# Altium PCB 四版主控XT.PcbDoc
Units mil, origin at the board's own origin, x right, y up, seen from the top; angles counter-clockwise.
Board outline 5105 x 3155.59 mil, 2 copper layers (Top Layer, Bottom Layer); 75 components, 82 nets, 339 pads, 95 vias.
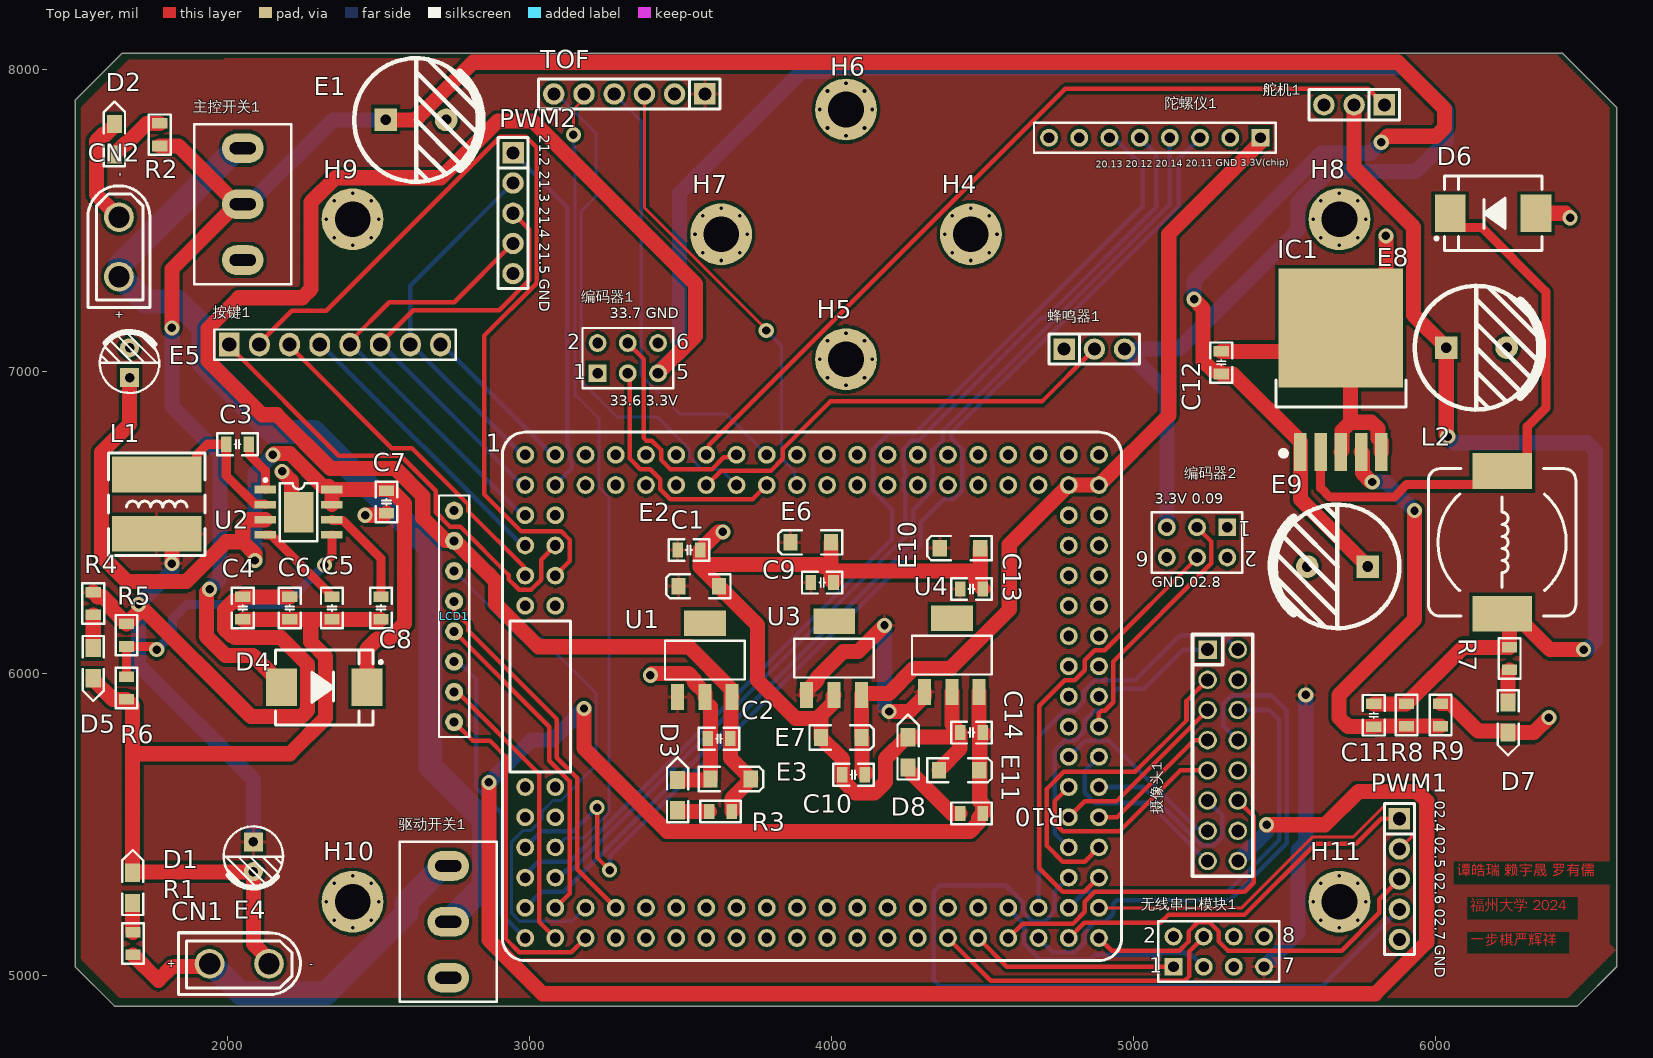
[diagram p0: Top Layer view]
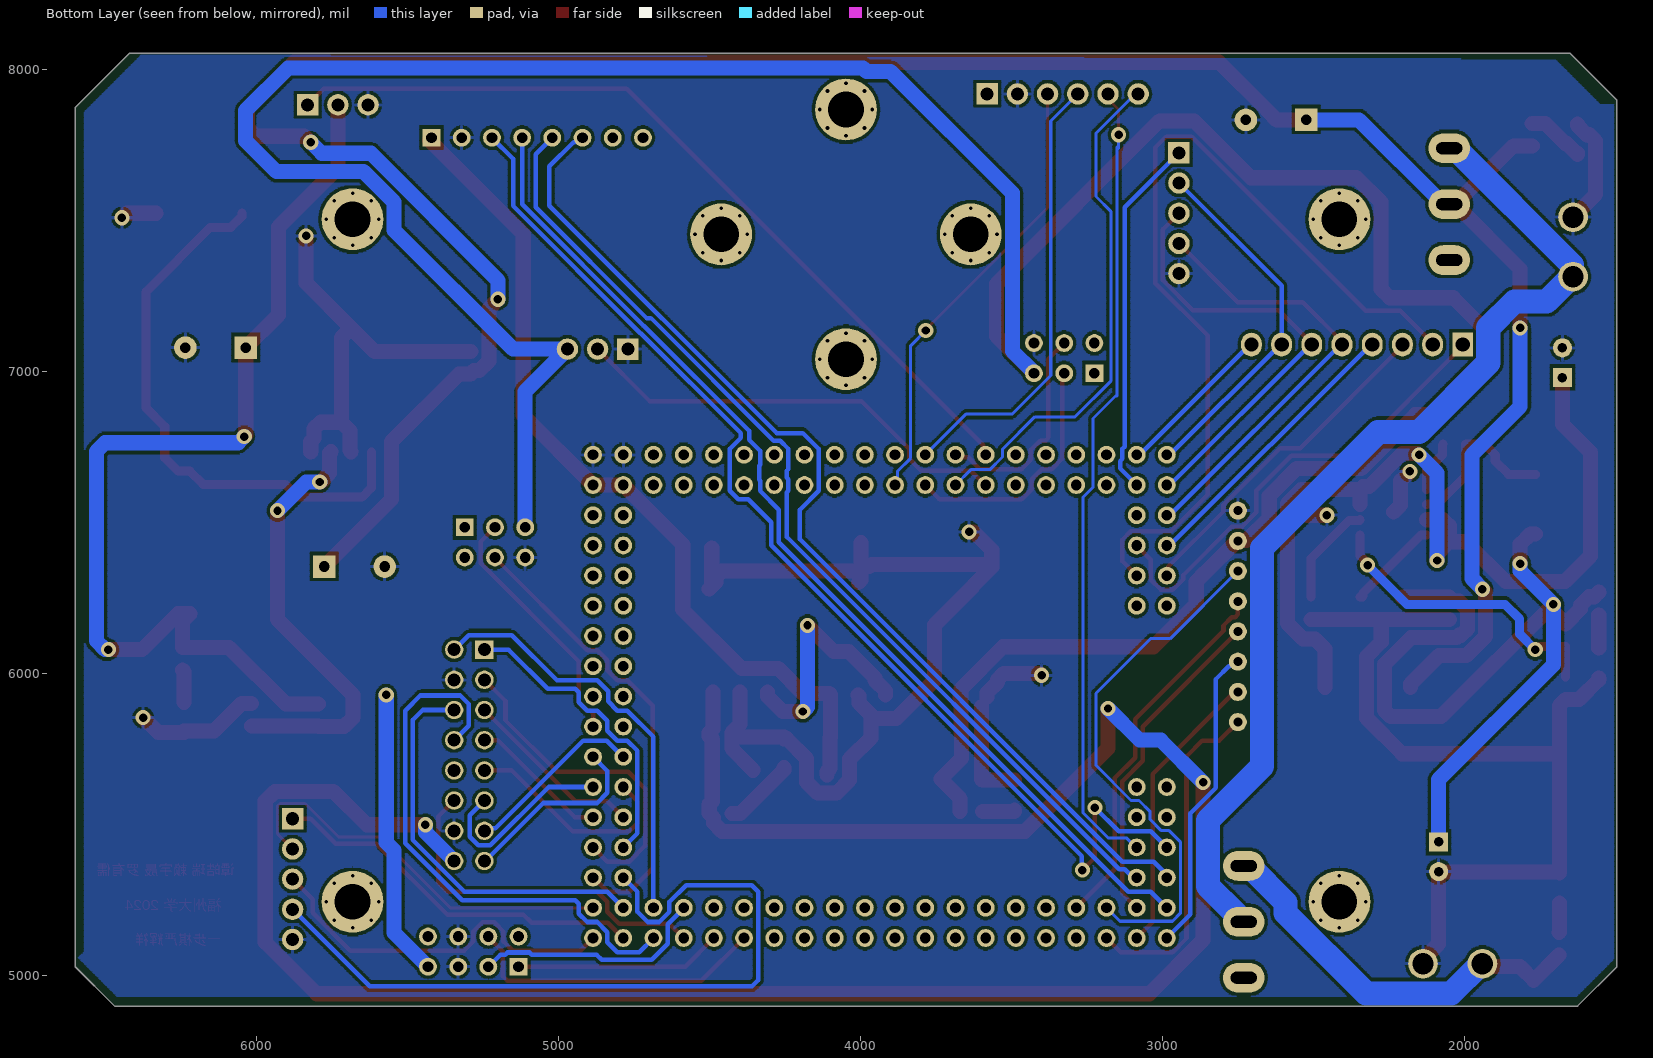
[diagram p1: Bottom Layer view, seen from below]

## Layer stack, top to bottom
Top Solder: solder mask 0.4, Solder Resist, Dk 3.5
Top Layer: signal copper 1.4
Dielectric 1: dielectric 12.6, FR-4, Dk 4.8
Bottom Layer: signal copper 1.4
Bottom Solder: solder mask 0.4, Solder Resist, Dk 3.5

## Board outline
1625,4899.41 1495,5029.41 1495,5305 1495,7900 1650,8055 6420,8055 6600,7875 6600,5030 6469.41,4899.41

## Design rules (kind name [scope] priority, off if disabled: settings)
Clearance [All] p1: gap=10 ignorepadtopadclearanceinfootprint=FALSE except(0: Arc-Hole Track-Hole SMDPad-Hole THPad-Hole Via-Hole Fill-Hole Poly-Hole Region-Hole Text-Hole)
PolygonConnect [All] p1: connectstyle=Relief reliefconductorwidth=10 reliefentries=4 polygonreliefangle="90 Angle" airgapwidth=10
RoutingVias [All] p1: holewidth=28 width=50 viastyle="Through Hole" minholewidth=28 minwidth=50 maxholewidth=28 maxwidth=50
SolderMaskExpansion [All] p1: expansion=4 istentingtop=FALSE
Width [All] p1: maxlimit=80 minlimit=10 preferedwidth=10 minimp=50.000000 maximp=50.000000 favimp=50.000000
30 further rules are at their usual default settings.

## Components (designator, comment, footprint, x,y, rotation, side; value= is the part's Value field where it differs from the comment)
1 "TC264" TC264_CoreBoard 4885,6725 r270 top locked
C1 "0.1uF" "C 0805_L" 3527.58,6410 r180 top
C2 "0.1uF" "C 0805_L" 3627.39,5785 r0 top
C3 "100nF" "C 0805_L" 2032.6,6760 r0 top
C4 "100nF" "C 0805_L" 2050,6217.4 r90 top
C5 "100nF" "C 0805_L" 2345,6217.4 r270 top
C6 "100nF" "C 0805_L" 2205.49,6217.4 r90 top
C7 "100nF" "C 0805_L" 2526.07,6569.21 r90 top
C8 "1uF" "C 0805_L" 2507.87,6217.4 r90 top
C9 "0.1uF" "C 0805_L" 3968.65,6301.69 r180 top
C10 "104" "C 0805_L" 4072.79,5665.64 r0 top
C11 "104" "C 0805_L" 5795,5862.6 r90 top
C12 "0.1uF" "C 0805_L" 5290,7030 r90 top
C13 "0.1uF" "C 0805_L" 4463.05,6280.71 r180 top
C14 "0.1uF" "C 0805_L" 4463.05,5805.07 r0 top
CN1 "XT30UPB-M" "PCBComponent_1 - duplicate" 2253.43,4972.6 r180 top
CN2 "XT30UPB-M" "PCBComponent_1 - duplicate" 1707.4,7628.44 r270 top
D1 "LED" LED-0805R 1685.52,5241.19 r90 top
D2 "LED" LED-0805R 1625,7720 r90 top
D3 "LED" LED-0805R 3489.68,5548.06 r90 top
D4 "SS3(5)4" SMC 2320,5955 r0 top
D5 "LED" LED-0805R 1555,6085 r270 top
D6 "SS34" SMC 6190,7525 r180 top
D7 "LED" LED-0805R 6240,5905 r270 top
D8 "LED" LED-0805R 4252.98,5689.95 r90 top
E1 "470uF" "CAP 5.0*10*16" 2623.46,7834.14 r0 top
E2 "100uF" "CD A(3216)" 3559.98,6290 r0 top
E3 "100uF" "CD A(3216)" 3665.4,5651.5 r180 top
E4 "100uF/25V" "CAP 2.5*5*11" 2085,5394.21 r270 top
E5 "100uF/25V" "CAP 2.5*5*11" 1675,7030 r90 top
E6 "10uF" "CD A(3216)" 3930.64,6434.91 r0 top
E7 "10uF/6.3V" "CD A(3216)" 4031.78,5788.94 r180 top
E8 "470uF" "CAP 5.0*10*16" 6135,7080 r0 top
E9 "470uF" "CAP 5.0*10*16" 5675,6355 r180 top
E10 "100uF" "CD A(3216)" 4425.05,6416.06 r0 top
E11 "100uF" "CD A(3216)" 4422.05,5680.5 r180 top
H4 "固定孔" M3-MountHole-Plated 4460.91,7455 r0 top locked
H5 "固定孔" M3-MountHole-Plated 4047.52,7041.61 r0 top locked
H6 "固定孔" M3-MountHole-Plated 4047.52,7868.39 r0 top locked
H7 "固定孔" M3-MountHole-Plated 3634.13,7455 r0 top locked
H8 "固定孔" M3-MountHole-Plated 5681.42,7505 r0 top locked
H9 "固定孔" M3-MountHole-Plated 2413.66,7505 r0 top locked
H10 "固定孔" M3-MountHole-Plated 2413.66,5245.16 r0 top locked
H11 "固定孔" M3-MountHole-Plated 5681.42,5245.16 r0 top locked
IC1 "LM2596-ADJ" TO263-5A 5686.14,6735 r0 top
L1 "10(3.3)uH" CD73 1765,6561.57 r90 top
L2 "33uH" CDRH127 6220,6435 r270 top
LCD1 "1.8inch-LCD" 1.8inch-LCD 2750,6540 r270 top
PWM1 "Header5" JP5 5880,5320 r270 top
PWM2 "Header5" JP5 2945,7525 r270 top
R1 "1K" "R 0805_L" 1686.51,5106.26 r90 top
R2 "1K" "R 0805_L" 1775,7785 r90 top
R3 "1K" "R 0805_L" 3632.06,5544.06 r180 top
R4 "4.7K" "R 0805_L" 1555,6232.4 r90 top
R5 "73.2K" "R 0805_L" 1665,6127.6 r90 top
R6 "10K" "R 0805_L" 1665,5952.4 r90 top
R7 "1K" "R 0805_L" 6245,6050 r90 top
R8 "10K" "R 0805_L" 5904.04,5863.82 r90 top
R9 "3.26K" "R 0805_L" 6016.58,5863.82 r270 top
R10 "1K" "R 0805_L" 4463.05,5537.81 r180 top
TOF "Header6" JP6 3330,7920 r180 top
U1 "LM39100S-3.3" SOT-223_L6.5-W3.5-P2.30-LS7.0-BR 3579.98,6045 r270 top
U2 "SY8205FCC" SOP-8E 2235,6535 r0 top
U3 "LM39100S-3.3" SOT-223_L6.5-W3.5-P2.30-LS7.0-BR 4007.67,6051.57 r270 top
U4 "LM39100S-3.3" SOT-223_L6.5-W3.5-P2.30-LS7.0-BR 4397.93,6061.57 r270 top
主控开关1 "MTS-10x" MTS-10x 2050,7555 r270 top
按键1 "" JP8 2005,7090 r0 top
摄像头1 "摄像头" IDC16 5293.66,5729.8 r270 top
无线串口模块1 "" HDR2X4 5131.73,5029.94 r0 top
编码器1 "编码器1" HDR2X3 3225,6995 r0 top
编码器2 "编码器2" HDR2X3 5310,6485 r180 top
舵机1 "" JP3 5730,7885 r180 top
蜂鸣器1 "" JP3 4870,7074 r0 top
陀螺仪1 "" HDR1X8 5420,7775 r180 top
驱动开关1 "MTS-10x" MTS-10x 2730.41,5178.47 r270 top

## Footprints (in the part's own frame and the unit in brackets; to place one, negate y for a bottom-side part, rotate by r counter-clockwise, add the part's x,y. Pads: shape width x height; smd on the part's side, far side on the other; paste and mask are expansions set on the pad)
1.8inch-LCD [mil] "板悬空11.2mm，母座不垫高"
  round 60 hole 30: 1(0,0) 2(100,0) 3(200,0) 4(300,0) 5(400,0) 6(500,0) 7(600,0) 8(700,0)
  silkscreen extent -50,-50 750,50, body extent -339,-2146 1039,59, height 563
"C 0805_L" [mil]
  rect 35x50 smd: 1(-37.4,0) 2(37.4,0)
  silkscreen extent -67,-36 67,36, body extent -39,-24 39,24, height 20
"CAP 2.5*5*11" [mm] "脚距2.5mm直径5mm高度11mm"
  rect 1.6x1.6 hole 0.8: 1(-1.25,0)
  round 1.6 hole 0.8: 2(1.25,0)
  silkscreen extent -2.55,-2.5 2.6,2.5, body extent -2.5,-2.5 2.51,2.5, height 11.03
"CAP 5.0*10*16" [mm] "脚距5mm直径10mm高度16mm"
  rect 1.9x1.9 hole 0.9: 1(-2.54,0)
  round 1.9 hole 0.9: 2(2.54,0)
  silkscreen extent -5.19,-5.21 5.5,5.19, body extent -5,-5 5.01,5, height 16.04
CD73 [mm] "7.8*7*3.5mm（长宽高）"
  rect 3x7.5 smd: 1(-2.5,0) 2(2.5,0)
  silkscreen extent -4.32,-4.06 4.32,4.06, body extent -3.85,-3.5 3.85,3.5, height 3.75
"CD A(3216)" [mm]
  rect 1.2x1.4 smd: 1(-1.7,0) 2(1.7,0)
  silkscreen extent -2.74,-1.02 2.67,1.02, body extent -1.6,-0.8 1.6,0.8, height 1.6
CDRH127 [mm] "12*12*8mm（长宽高）"
  rect 3x5 smd: 1(-6,0) 2(6,0)
  silkscreen extent -6.2,-6.2 6.2,6.2, body extent -6,-6 6,6, height 7.8
HDR1X8 [mm] "Connector; Header; 8 Position"
  rect 1.5x1.5 hole 0.9: 1(0,0)
  round 1.5 hole 0.9: 2(2.54,0) 3(5.08,0) 4(7.62,0) 5(10.16,0) 6(12.7,0) 7(15.24,0) 8(17.78,0)
  silkscreen extent -1.27,-1.27 19.05,1.27
HDR2X3 [mm] "Connector; Header; 3x2 Position"
  rect 1.5x1.5 hole 0.9: 1(0,0)
  round 1.5 hole 0.9: 2(0,2.54) 3(2.54,0) 4(2.54,2.54) 5(5.08,0) 6(5.08,2.54)
  silkscreen extent -1.27,-1.27 6.35,3.81
HDR2X4 [mm] "Connector; Header; 4x2 Position"
  rect 1.5x1.5 hole 0.9: 1(0,0)
  round 1.5 hole 0.9: 2(0,2.54) 3(2.54,0) 4(2.54,2.54) 5(5.08,0) 6(5.08,2.54) 7(7.62,0) 8(7.62,2.54)
  silkscreen extent -1.27,-1.27 8.89,3.81
IDC16 [mm]
  rect 1.55x1.55 hole 1.1: 1(-8.895,-1.236)
  round 1.55 hole 1.1: 2(-8.895,1.304) 3(-6.355,-1.236) 4(-6.355,1.304) 5(-3.815,-1.236) 6(-3.815,1.304) 7(-1.275,-1.236) 8(-1.275,1.304) 9(1.265,-1.236) 10(1.265,1.304) 11(3.805,-1.236) 12(3.805,1.304) 13(6.345,-1.236) 14(6.345,1.304) 15(8.885,-1.236) 16(8.885,1.304)
  silkscreen extent -10.17,-2.51 10.15,2.57
JP3 [mm]
  rect 1.8x1.8 hole 1.1: 1(-2.54,0.025)
  round 1.8 hole 1.1: 2(0,0.025) 3(2.54,0.025)
  silkscreen extent -3.81,-1.24 3.81,1.3
JP5 [mm]
  rect 1.8x1.8 hole 1.1: 1(-5.08,0)
  round 1.8 hole 1.1: 2(-2.54,0) 3(0,0) 4(2.54,0) 5(5.08,0)
  silkscreen extent -6.35,-1.27 6.35,1.27
JP6 [mm]
  rect 1.8x1.8 hole 1.1: 1(-6.35,0)
  round 1.8 hole 1.1: 2(-3.81,0) 3(-1.27,0) 4(1.27,0) 5(3.81,0) 6(6.35,0)
  silkscreen extent -7.62,-1.27 7.62,1.27
JP8 [mm]
  rect 1.75x2 hole 1.2: 1(0,0)
  oval 1.75x2 hole 1.2: 2(2.54,0) 3(5.08,0) 4(7.62,0) 5(10.16,0) 6(12.7,0) 7(15.24,0) 8(17.78,0)
  silkscreen extent -1.27,-1.27 19.05,1.27
LED-0805R [mil]
  rect 60x50 smd: A(0,0) K(100,0)
  silkscreen extent -40,-35 175,35, body extent 11,-24 89,25, height 32
M3-MountHole-Plated [mm]
  round 5.2 hole 3: 1(0,0)
MTS-10x [mm]
  oval 2.5x3.5 hole 1 slot 2.2 at 90 deg: 1(-4.7,0) 2(0,0) 3(4.7,0)
  silkscreen extent -6.73,-4.06 6.73,4.06, body extent -6.6,-3.95 6.6,3.95, height 30.47
"PCBComponent_1 - duplicate" [mm]
  round 2.5 hole 1.8: 1(2.961,-1.712) 2(7.961,-1.712)
  silkscreen extent 0.32,-4.31 10.56,0.89
"R 0805_L" [mil]
  rect 35x50 smd: 1(-37.4,0) 2(37.4,0)
  silkscreen extent -67,-36 67,36, body extent -39,-25 39,25, height 20
SMC [mm] "7.1x5.9*2.3mm（长宽高，不包括引脚）"
  rect 2.6x3.15 smd: 1(-3.6,0) 2(3.6,0)
  silkscreen extent -4.1,-3.15 4.88,3.15, body extent -3.95,-2.9 3.95,2.9, height 2.45
SOP-8E [mm]
  rect 2.5x3.4 smd: 0(0,0)
  rect 1.8x0.65 smd: 1(-2.8,1.905) 2(-2.8,0.635) 3(-2.8,-0.635) 4(-2.8,-1.905) 5(2.8,-1.905) 6(2.8,-0.635) 7(2.8,0.635) 8(2.8,1.905)
  silkscreen extent -2.92,-2.45 1.58,2.82, body extent -3.11,-2.45 3.11,2.45, height 1.75
SOT-223_L6.5-W3.5-P2.30-LS7.0-BR [mil]
  rect 85x43 smd: 1(122,-90.5) 2(122,0.5) 3(122,90.5)
  rect 85x138 smd: 4(-122,0.5)
  silkscreen extent -64,-132 64,132
TC264_CoreBoard [mm]
  round 1.5 hole 0.9: 1(0,0) 2(2.54,0) 3(0,-2.54) 4(2.54,-2.54) 5(0,-5.08) 6(2.54,-5.08) 7(0,-7.62) 8(2.54,-7.62) 9(0,-10.16) 10(2.54,-10.16) 11(0,-12.7) 12(2.54,-12.7) 13(0,-15.24) 14(2.54,-15.24) 15(0,-17.78) 16(2.54,-17.78) 17(0,-20.32) 18(2.54,-20.32) 19(0,-22.86) 20(2.54,-22.86) 21(0,-25.4) 22(2.54,-25.4) 23(0,-27.94) 24(2.54,-27.94) 25(0,-30.48) 26(2.54,-30.48) 27(0,-33.02) 28(2.54,-33.02) 29(0,-35.56) 30(2.54,-35.56) 31(0,-38.1) 32(2.54,-38.1) 33(0,-40.64) 34(2.54,-40.64) 35(0,-43.18) 36(2.54,-43.18) 37(0,-45.72) 38(2.54,-45.72) 39(0,-48.26) 40(2.54,-48.26) 41(5.08,-48.26) 42(5.08,-45.72) 43(7.62,-48.26) 44(7.62,-45.72) 45(10.16,-48.26) 46(10.16,-45.72) 47(12.7,-48.26) 48(12.7,-45.72) 49(27.94,-45.72) 50(27.94,-48.26) 51(30.48,-45.72) 52(30.48,-48.26) 53(33.02,-45.72) 54(33.02,-48.26) 55(35.56,-45.72) 56(35.56,-48.26) 57(38.1,-48.26) 58(40.64,-48.26) 59(38.1,-45.72) 60(40.64,-45.72) 61(38.1,-43.18) 62(40.64,-43.18) 63(38.1,-40.64) 64(40.64,-40.64) 65(38.1,-38.1) 66(40.64,-38.1) 67(38.1,-35.56) 68(40.64,-35.56) 69(38.1,-33.02) 70(40.64,-33.02) 71(38.1,-30.48) 72(40.64,-30.48) 73(38.1,-27.94) 74(40.64,-27.94) 75(38.1,-25.4) 76(40.64,-25.4) 77(38.1,-22.86) 78(40.64,-22.86) 79(38.1,-20.32) 80(40.64,-20.32) 81(38.1,-17.78) 82(40.64,-17.78) 83(38.1,-15.24) 84(40.64,-15.24) 85(38.1,-12.7) 86(40.64,-12.7) 87(38.1,-10.16) 88(40.64,-10.16) 89(38.1,-7.62) 90(40.64,-7.62) 91(38.1,-5.08) 92(40.64,-5.08) 93(38.1,-2.54) 94(40.64,-2.54) 95(38.1,0) 96(40.64,0) 97(35.56,-2.54) 98(35.56,0) 99(33.02,-2.54) 100(33.02,0) 101(30.48,-2.54) 102(30.48,0) 103(27.94,-2.54) 104(27.94,0) 105(25.4,-2.54) 106(25.4,0) 107(22.86,-2.54) 108(22.86,0) 109(20.32,-2.54) 110(20.32,0) 111(17.78,-2.54) 112(17.78,0) 113(15.24,-2.54) 114(15.24,0) 115(12.7,-2.54) 116(12.7,0) 117(10.16,-2.54) 118(10.16,0) 119(7.62,-2.54) 120(7.62,0) 121(5.08,-2.54) 122(5.08,0)
  silkscreen extent -1.91,-50.17 42.55,1.91
TO263-5A [mm]
  rect 1.05x3.2 smd: 1(-3.4,0) 2(-1.7,0) 3(0,0) 4(1.7,0) 5(3.4,0)
  rect 10.45x10 smd: 3(0,10.414)
  silkscreen extent -5.46,-0.33 5.46,6.04, body extent -5,-0.01 5,13.32, height 4.5

## Part data
1: library part TC264_CoreBoard, "逐飞科技TC264核心板"
C1 C2 C3 C4 C5 C6 C7 C8 C9 C10 C11 C12 C13 C14: library part C, "无极性贴片电容", BOM名称=无极性贴片电容, 学习资源=www.ooocke.com, 版权归属=源创客
CN1 CN2: Colour=黄色, contact resistance=0.65mΩ, JLCPCB Part Class="Extended Part", LCSC Part Name="AMASS(艾迈斯)板载立式 航模锂电池控制器连接器插头 公头XT30UPB-M", Manufacturer=AMASS(艾迈斯), MaximumCurrent=-, RatedCurrent=15A, RatedVoltage="DC 500V", Add into BOM=yes, Belt length=-, Brand=艾迈斯, Convert to PCB=yes, Datasheet=https://atta.szlcsc.com/upload/public/pdf/source/20230412/7B5DFEF57C9EA5273853390C734B3AC5.pdf, Device=XT30UPB-M, FlameRetardantGrade=-, Input=-, InsulationMaterial=PA, Interface=-, InterfaceType=公头, Manufacturer Part=XT30UPB-M, MetalMaterial=镀金, Model=XT30UPB-M, NumberOfUSBHoles=-, Output=-, Power=-, RecommendedWireGauge=-, Size=-, specifications=-, Supplier=LCSC, Supplier Footprint=-, Supplier Part=C428721, Symbol=XT30UPB-M, Type=航模插头, Type1=-
D4: library part SS34, "肖特基二极管", BOM名称=肖特基二极管, 学习资源=www.ooocke.com, 属性=40V/3A, 版权归属=源创客
D6: "肖特基二极管", BOM名称=肖特基二极管, 学习资源=www.ooocke.com, 属性=40V/3A, 版权归属=源创客
E1 E8 E9: library part C-CAP, "直插电解电容", BOM名称=直插电解电容, 学习资源=www.ooocke.com, 版权归属=源创客
E2 E3 E6 E7 E10 E11: library part C-CD, "贴片钽电容", BOM名称=贴片钽电容, 学习资源=www.ooocke.com, 版权归属=源创客
E4 E5: library part C-CM, "贴片电解电容", BOM名称=贴片电解电容, 学习资源=www.ooocke.com, 版权归属=源创客
H4 H5 H6 H7 H8 H9 H10 H11: library part MountHole
IC1: "DC降压芯片", BOM名称=DC稳压芯片, 学习资源=www.ooocke.com, 版权归属=源创客
L1 L2: library part L, "小功率贴片电感", BOM名称=小功率贴片电感, 学习资源=www.ooocke.com, 版权归属=源创客
R1 R2 R3 R4 R5 R6 R7 R8 R9 R10: library part R, "贴片电阻", BOM名称=贴片电阻, 学习资源=www.ooocke.com, 版权归属=源创客
U2: "同步buck"
主控开关1 驱动开关1: "MTS10x系列3脚扭子开关", BOM名称=MTS10x系列3脚扭子开关, 学习资源=www.ooocke.com, 版权归属=源创客
按键1: library part Header8
摄像头1: library part Header8X2
无线串口模块1: library part "Header 4X2", "Header, 4-Pin, Dual row", LatestRevisionDate=17-Jul-2002, LatestRevisionNote="Re-released for DXP Platform.", Publisher="Altium Limited"
编码器1 编码器2: library part "Header 3X2", "Header, 3-Pin, Dual row", LatestRevisionDate=17-Jul-2002, LatestRevisionNote="Re-released for DXP Platform.", Publisher="Altium Limited"
舵机1 蜂鸣器1: library part Header3
陀螺仪1: library part "Header 8", "Header, 8-Pin", LatestRevisionDate=17-Jul-2002, LatestRevisionNote="Re-released for DXP Platform.", Publisher="Altium Limited"

## Via types
v1: diameter 23.62, hole 11.81, Top Layer to Bottom Layer, 64 vias
v2: diameter 50, hole 28, Top Layer to Bottom Layer, 31 vias

## Nets (pads, with @x,y where several pads share a name; then routed paths per layer and width w, separated by ;. In a path a pad name is that pad's centre, name@x,y a point inside that pad or via, vN(x,y) a via of type N, cw(c..) or ccw(c..) an arc to the next point about the centre after c; other vN are vias at no path point)
00.0: 1.99 摄像头1.1 | length 1056.2
  Top Layer w15: 摄像头1.1@5221.99,6056.99 摄像头1.1
  Bottom Layer w15: 1.99 4737.97,5472.03 4737.97,5744.48 4771.47,5777.97 4804.48,5777.97 4837.97,5811.47 4837.97,5844.48 4871.47,5877.97 4904.48,5877.97 4932.03,5905.52 4932.03,5938.53 4943.49,5950 5035,5950 5165,6080 摄像头1.1
00.1: 1.100 摄像头1.3 | length 1121.5
  Top Layer w15: 1.100 4837.97,5377.97 4765.52,5377.97 4712.97,5430.52 4712.97,5619.48 4768.49,5675 5004.64,5675 5175,5845.36 5175,5910 摄像头1.3
00.2: 1.101 摄像头1.5 | length 607
  Top Layer w15: 1.101 4837.97,5577.97 4942.97,5577.97 摄像头1.5
00.3: 1.102 摄像头1.7 | length 465.6
  Top Layer w15: 1.102 4945,5525 5200,5780 摄像头1.7
00.4: 1.103 摄像头1.9 | length 751.1
  Top Layer w15: 1.103 4737.97,5577.97 4737.97,5505.52 4765.52,5477.97 4952.97,5477.97 5155,5680 摄像头1.9
  Bottom Layer w15: 摄像头1.9@5237.93,5687.07 摄像头1.9
00.5: 1.104 摄像头1.11 | length 656.5
  Top Layer w15: 摄像头1.11 5245,5590 摄像头1.11@5250,5595
  Bottom Layer w15: 1.104 5032.1,5625 5225.11,5431.99 5264.89,5431.99 5293.01,5460.11 5293.01,5531.99 摄像头1.11
00.6: 1.105 摄像头1.13 | length 606
  Bottom Layer w15: 1.105 4786.86,5725 4839.83,5777.97 4904.48,5777.97 4905.29,5778.79 4917.72,5778.79 5208.27,5488.24 5236.76,5488.24 摄像头1.13
00.7: 1.106 摄像头1.15 | length 639.4
  Bottom Layer w15: 1.106 4837.97,5677.97 4837.97,5605.52 4871.47,5572.03 5049.72,5572.03 5241.75,5380 摄像头1.15
0.09: 1.108 编码器2.3 | length 839.8
  Top Layer w15: 1.108 4885,5869.19 4893.79,5877.97 4904.48,5877.97 4932.03,5905.52 4932.03,6040.52 5257.03,6365.52 5257.03,6437.97 编码器2.3
02.0: 1.90 摄像头1.12 | length 1201.7
  Top Layer w15: 1.90 4632.45,5172.45 4798.95,5172.45 4837.97,5211.47 4837.97,5244.48 4871.47,5277.97 5368.06,5277.97 5397.5,5307.41 5397.5,5527.5 摄像头1.12
02.1: 1.91 摄像头1.2 | length 1405.1
  Bottom Layer w15: 1.91 4685,5791.51 4771.47,5877.97 4804.48,5877.97 4835,5908.49 4835,5941.51 4871.47,5977.97 5004.48,5977.97 5154.52,6128.01 5296.99,6128.01 摄像头1.2
02.2: 1.92 摄像头1.8 | length 1851.4
  Bottom Layer w15: 1.92 4732.03,5077.97 4804.48,5077.97 4837.97,5111.47 4837.97,5144.48 4871.47,5177.97 4904.48,5177.97 4932.03,5205.52 4932.03,5238.53 4943.49,5250 5318.25,5250 5507.5,5439.25 5507.5,5877.5 5456.99,5928.01 5325.11,5928.01 5296.99,5899.89 5296.99,5828.01 摄像头1.8
02.3: 1.93 摄像头1.6 | length 1339.1
  Bottom Layer w15: 1.93 4837.97,5277.97 5310.87,5277.97 5482.5,5449.6 5482.5,5847.08 5449.58,5880 摄像头1.6
02.4: 1.94 PWM1.1 | length 1258.6
  Top Layer w15: 1.94 4786.86,5125 4836.86,5175 5088.49,5175 5115.45,5201.97 5367.08,5201.97 5602.61,5437.5 5737.24,5437.5 5819.74,5520 PWM1.1
02.5: 1.95 PWM1.2 | length 1354.7
  Top Layer w10: 1.95 5358.29,5225 5593.29,5460 5727.92,5460 5838.35,5570.43 5921.65,5570.43 5930.43,5561.65 5930.43,5470.43 PWM1.2
02.6: 1.96 PWM1.3 | length 1254
  Top Layer w15: 1.96 4927.09,5082.91 5151.21,5082.91 5181.73,5113.43 5181.73,5146.45 5212.25,5176.97 5251.21,5176.97 5281.73,5146.45 5281.73,5113.44 5312.25,5082.91 5688.68,5082.91 5813.84,5208.07 5813.84,5253.84 PWM1.3
02.7: 1.97 PWM1.4 | length 2574.3
  Bottom Layer w15: 1.97 4737.97,5277.97 4737.97,5211.47 4704.48,5177.97 4665.52,5177.97 4632.03,5211.47 4632.03,5244.48 4576.51,5300 4360,5300 4337.97,5277.97 4337.97,4985.81 4358.79,4965 5625,4965 PWM1.4
02.8: 1.98 编码器2.4 | length 1533
  Top Layer w15: 1.98 4883.14,5325 4836.11,5277.97 4765.52,5277.97 4687.97,5355.52 4687.97,5894.48 4771.47,5977.97 4804.48,5977.97 4837.97,6011.47 4837.97,6044.48 4871.47,6077.97 4904.48,6077.97 5210,6383.49 编码器2.4
3.3V: C2.2 E3.1 LCD1.2 R3.1 U1.3 编码器1.5 编码器2.5 蜂鸣器1.3 | length 11024.1
  Top Layer w50: 编码器1.5 3548.95,7118.95 3548.95,7291.05 3010,7830 2894.28,7830 2706.64,7642.36 2356.76,7642.36 2276.3,7561.9 2276.3,7274.29 2247.01,7245 2036.68,7245 1935.55,7143.87 1935.55,7036.13 2113.88,6857.81 2162.68,6857.81 2341.01,6679.48 2555.24,6679.48 2646.07,6588.66 2646.07,6516.65 2720.81,6441.91 2748.09,6441.91 LCD1.2 2752.71,6440 2857.71,6335 2858.33,6335 2887.62,6305.71 2887.62,6231.12 3029.24,6089.5 3527.48,6089.5 3666.98,5950 3666.98,5926.5 U1.3 3666.98,5919.5 3666.98,5805.5 3664.79,5803.3 C2.2 3664.79,5720.22 3732.33,5652.68 E3.1 3732.33,5650.32 3669.46,5587.46 R3.1
  Bottom Layer w50: 编码器1.5 3425,6997.45 3496.77,7069.22 3496.77,7591.77 3899.64,7994.64 3979.51,7994.64 3990.62,8005.75 5894.62,8005.75 6035.43,7864.93 6035.43,7765.07 5933.85,7663.48 5645.64,7663.48 5544.06,7561.9 5544.06,7468.69 5150.36,7075 蜂鸣器1.3 5110,6935 编码器2.5
3.3VCAM: C14.2 E11.1 R10.1 U4.3 摄像头1.16 | length 7420.4
  Top Layer w50: v2(2865,5640) 2865,5118.39 3042.97,4940.41 5800.02,4940.41 5970.43,5110.83 5970.43,5578.21 5938.21,5610.43 5744.32,5610.43 5633.89,5500 v2(5440,5500) ; v2(3180,5885) 3180,5753.25 3455.43,5477.81 4457.65,5477.81 4485.66,5505.82 4485.66,5523.01 R10.1 4500.46,5567.84 4490.35,5577.94 4490.35,5783.06 4500.45,5793.16 C14.2 4488.43,5817.08 U4.3
  Bottom Layer w50: v2(2865,5640) 3005,5780 3075,5780 v2(3180,5885) ; 摄像头1.16 5440,5475 v2(5440,5500)
3.3V芯片: 1.2 1.4 C10.2 E7.1 U3.3 陀螺仪1.1 | length 2837.5
  Top Layer w50: C10.2 4110.19,5676.28 4100.09,5686.38 4100.09,5787.56 E7.1 4098.44,5789.21 4098.44,5929.3 U3.3 4098.17,5931.5 4101.67,5935 4189.37,5935 4271.44,6017.07 4392.93,6017.07 4588.1,6212.24 4588.1,6428.1 1.4 1.2 5116.1,6856.1 5116.1,7456.1 陀螺仪1.1@5426.76,7766.76
5.0V: C1.2 C4.2 C6.2 C9.2 C13.2 E2.1 E4.1 E6.1 E10.1 L1.1 R4.2 R5.2 TOF.1 U1.1 U3.1 U4.1 无线串口模块1.7 | length 4757.1
  Top Layer w50: R4.2 1569.8,6255 1586.86,6255 1594.36,6247.5 1594.5,6247.5 1615,6227 1615,6215 R5.2 1705,6205 v2(1705,6230) 2077.01,5857.99 2243.95,5857.99 2264.45,5878.49 2264.45,6031.51 2175.95,6120 2025.15,6120 2017.65,6127.5 2010.5,6127.5 1990,6148 1990,6212 2018,6240 2035.2,6240 C4.2 C6.2 ; L1.1 1780.94,6463.15 1815,6429.09 v2(1815,6365) ; U3.1 3917.17,5943.57 3951.67,5978.07 3951.67,5986.56 4038.39,6073.28 4088.28,6073.28 v2(4175,6160) ; v2(4190,5875) 4256.87,5875 4307.43,5925.57 U4.1
  Bottom Layer w50: v2(1815,6365) 1815,6340 v2(1705,6230) 1705,6029.96 2085,5649.96 E4.1 ; v2(4175,6160) 4175,5890 v2(4190,5875) ; 无线串口模块1.7 5544.06,5142.27 5544.06,5415.7 5570,5441.64 v2(5570,5930)
7.2V: C12.1 D4.1 E1.1 E9.1 IC1.1 R2.1 主控开关1.2 | length 8843.2
  Top Layer w50: R2.1 1837.72,7747.6 主控开关1.2@2030.31,7555 ; v2(1815,7145) 1815,7339.69 主控开关1.2@2030.31,7555 ; v2(1940,6280) 1930,6270 1930,6123.15 1993.15,6060 2084.09,6060 2178.27,5965.83 D4.1 ; 主控开关1.2 主控开关1.2@2030.31,7555 ; E1.1 2621.77,7834.14 2651.06,7863.43 2651.06,7864.13 2811.92,8025 5875,8025 6030,7870 6030,7809.29 6000.71,7780 5840,7780 v2(5820,7760) ; v2(5200,7240) 5230,7210 5230,7035.4 5261.66,7003.75 5278.85,7003.75 C12.1 5328.35,6992.6 5552.28,6768.66 IC1.1 5552.28,6577.72 E9.1
  Bottom Layer w50: v2(1815,7145) 1815,6885 1975,6725 1975,6315 v2(1940,6280) ; 主控开关1.2 2069.69,7555 2348.83,7834.14 E1.1 ; v2(5200,7240) 5200,7302.69 5620.79,7723.48 5783.48,7723.48 v2(5820,7760)
10.2: 1.86 无线串口模块1.4 | length 1015.6
  Top Layer w15: 1.86 4527.09,4982.91 5168.51,4982.91 5184.7,4999.11 5184.7,5081.05 5231.73,5128.08 无线串口模块1.4
10.5: 1.88 无线串口模块1.1 | length 686.1
  Top Layer w15: 1.88 4580.06,5029.94 无线串口模块1.1
10.6: 1.89 无线串口模块1.3 | length 786.4
  Bottom Layer w15: 1.89 4585,5223.14 4637.97,5170.17 4637.97,5105.52 4690.52,5052.97 4856.47,5052.97 4873.49,5070 5087.98,5070 5094.95,5076.97 5168.51,5076.97 5175.48,5070 5191.67,5070 无线串口模块1.3
15.0: 1.58 LCD1.6 | length 1021.1
  Bottom Layer w15: LCD1.6 2762.18,6040 2776.8,6025.38 2779.62,6025.38 2822.5,5982.5 2822.5,5622.4 2906.81,5538.08 2906.81,5203.19 1.58
15.1: 1.59 LCD1.5 | length 1092.7
  Top Layer w15: LCD1.5 3064.94,5825.06 3064.94,5711.57 3132.03,5644.48 3132.03,5272.03 1.59
15.2: 1.60 LCD1.7 | length 959.6
  Top Layer w15: LCD1.7 2760,5940 3032.03,5667.97 3032.03,5177.97 1.60
15.3: 1.61 LCD1.3 | length 1786.2
  Bottom Layer w10: LCD1.3 2974,6116 3039,6116 3220,5935 3220,5697.03 3103.44,5580.47 3077.5,5580.47 3040.47,5543.44 3040.47,5517.5 3003.44,5480.47 2977.5,5480.47 2940.47,5443.44 2940.47,5206.56 2966.56,5180.47 3140.47,5180.47 1.61
15.4: 1.62 LCD1.8 | length 1123.2
  Top Layer w15: LCD1.8 2811.2,5778.8 2867.41,5778.8 2920,5726.21 2920,5123.49 2965.52,5077.97 3137.97,5077.97 1.62
15.5: 1.63 LCD1.4 | length 1243
  Top Layer w15: LCD1.4 2750,6196.29 2758.79,6187.5 2769.68,6187.5 2797.5,6159.68 2797.5,6142.5 3089.94,5850.06 3089.94,5721.92 3157.03,5654.83 3157.03,5352.97 1.63
20.0: 1.44 按键1.1 | length 1569.3
  Top Layer w15: 按键1.1 2005,7085.08 2368.09,6721.98 2572.85,6721.98 2688.57,6606.26 2688.57,6534.25 2735.33,6487.5 2769.68,6487.5 2930.12,6327.05 2930.12,6313.37 2965.52,6277.97 3004.48,6277.97 3037.97,6311.47 3037.97,6377.97 1.44
20.2: 1.45 按键1.3 | length 1127.4
  Top Layer w15: 按键1.3 2205,7085.08 2543.09,6746.98 2610.19,6746.98 2797.5,6559.68 2797.5,6537.5 2980,6355 2980,6330 1.45
20.3: 1.46 按键1.2 | length 2924.7
  Top Layer w15: 按键1.2 2105,7094.92 2212.58,7202.5 2326.89,7202.5 2902.32,7777.93 2987.68,7777.93 3022.93,7742.68 3022.93,7292.72 2848.99,7118.78 2848.99,6594.5 2971.47,6472.03 3104.48,6472.03 3132.03,6444.48 3132.03,6372.03 1.46
20.10: 1.53 TOF.5 | length 2667.1
  Top Layer w10: v2(3145,7785) 3145,7868.53 3180,7903.53 TOF.5
  Bottom Layer w10: 1.53 3087.03,5425 3117.5,5455.47 3178.44,5455.47 3263.2,5540.23 3263.2,6583.83 3229.53,6617.5 3229.53,6845.47 3155,6920 3150,6920 3150,7745 3145,7740 v2@3145,7770
20.11: 1.54 陀螺仪1.3 | length 3802.3
  Top Layer w15: v2(3223.2,5556.8) 3223.2,5391.8 v2(3265,5350)
  Bottom Layer w15: 1.54 3037.97,5477.97 3144.38,5477.97 v2(3223.2,5556.8) ; v2(3265,5350) 3266.09,5351.09 3266.09,5396.09 4295,6425 4295,6501.51 4371.47,6577.97 4404.48,6577.97 4432.03,6605.52 4432.03,6691.51 4432.03,6744.48 4395.28,6781.23 4395.28,6795.9 4727.32,7127.93 4728.64,7127.93 5150,7549.29 5150,7705 陀螺仪1.3
20.12: 1.55 陀螺仪1.5 | length 3344.4
  Bottom Layer w15: 1.55 3096.92,5325 3124.89,5352.97 3143.12,5352.97 4242.97,6452.83 4242.97,6600.52 4237.97,6605.52 4237.97,6644.48 4242.97,6649.48 4242.97,6672.97 4237.97,6677.97 4237.97,6744.48 4265.52,6772.03 4287.38,6772.03 4693.29,7177.93 4707.93,7177.93 5075,7545 5075,7720 陀螺仪1.5
20.13: 1.56 陀螺仪1.6 | length 3514.9
  Bottom Layer w15: 1.56 2985,5335 3027.97,5377.97 3132.76,5377.97 4200,6445.21 4200,6543.49 4137.97,6605.52 4137.97,6744.48 4190.52,6797.03 4277.03,6797.03 5030,7550 5030,7680 4949.29,7760.71 4946.21,7760.71 4931.92,7775 陀螺仪1.6
20.14: 1.57 陀螺仪1.4 | length 3481.8
  Bottom Layer w15: 1.57 3037.97,5277.97 3112.62,5277.97 4270,6435.36 4270,6543.49 4332.03,6605.52 4332.03,6638.53 4335.53,6642.04 4335.53,6688.53 4332.03,6692.04 4332.03,6738.53 4368.49,6775 4368.49,6804.46 4716.96,7152.93 4718.29,7152.93 5120,7554.64 陀螺仪1.4
21.2: 1.38 PWM2.1 | length 1203.6
  Bottom Layer w15: PWM2.1 3125,7545 3125,6751.51 3132.03,6744.48 3132.03,6711.47 3140,6703.49 3140,6680 1.38
21.3: 1.39 PWM2.2 按键1.7 | length 1207
  Bottom Layer w15: PWM2.2 2605,7285 按键1.7 2610.04,7090 2975.04,6725 1.39
21.4: 1.40 PWM2.3 按键1.6 | length 1500.5
  Top Layer w15: 按键1.6 2505,7094.92 2614.23,7204.15 2899.01,7204.15 2997.93,7303.07 2997.93,7472.07 PWM2.3
  Bottom Layer w15: 按键1.6 2510.04,7090 2975.04,6625 1.40
21.5: 1.41 PWM2.4 按键1.5 | length 1498.6
  Top Layer w15: 按键1.5 2405,7100 2535,7230 2750,7230 PWM2.4
  Bottom Layer w15: 按键1.5 2410.04,7090 2975.04,6525 1.41
21.7: 1.43 按键1.4 | length 955.5
  Bottom Layer w15: 按键1.4 2310.04,7090 2975.04,6425 1.43
22.3: 1.37 按键1.8 | length 531.2
  Bottom Layer w15: 按键1.8 2710.04,7090 3075.04,6725 1.37
30.12: 1.30
30.13: 1.31
33.4: 1.22 TOF.3 | length 1507.5
  Top Layer w10: TOF.3 3380,7543.16 3783.28,7139.87 v2(3783.28,7136.58) v2@3783.28,7133.28
  Bottom Layer w10: v2(3783.28,7136.58) 3833.28,7086.59 3833.28,6713.75 3877.5,6669.53 3877.5,6632.5 1.22
33.5: 1.23 TOF.4 | length 1493.8
  Bottom Layer w10: TOF.4 3369.53,7830.47 3369.53,6987.5 3496.09,6860.94 3649.06,6860.94 1.23
33.6: 1.24 编码器1.3 | length 833.5
  Top Layer w15: 编码器1.3 3332.03,6987.97 3332.03,6711.47 3366.22,6677.27 3399.24,6677.27 3432.38,6644.13 3432.38,6611.11 3465.52,6577.97 3737.97,6577.97 1.24
33.7: 1.25 编码器1.4 | length 724.6
  Top Layer w15: 编码器1.4 3377.97,7042.03 3377.97,6780.81 3386.76,6772.03 3404.48,6772.03 3435,6741.51 3435,6708.49 3465.52,6677.97 3604.48,6677.97 3643.08,6716.57 3676.57,6716.57 1.25
33.8: 1.26 TOF.6 | length 1707.2
  Bottom Layer w10: TOF.6 3090,7920 3220,7790 3220,7580.44 3170.69,7531.13 3170.69,6969.04 3288.96,6850.77 3422.2,6850.77 3529.53,6743.44 3529.53,6717.5 3571.09,6675.94 3634.06,6675.94 1.26
33.9: 1.27 舵机1.1 | length 2782.8
  Top Layer w15: 1.27 3593.43,6733.43 3593.43,6757.03 4773.33,7936.93 5777.07,7936.93 舵机1.1
33.10: 1.28 蜂鸣器1.2 | length 1490.7
  Top Layer w15: 1.28 3586.86,6625 3634.31,6672.45 3798.95,6672.45 3837.97,6711.47 3837.97,6744.48 3995.2,6901.71 4696.71,6901.71 蜂鸣器1.2
A16: 1.8
A17: 1.7
A20: 1.6
A21: 1.5
A35: 1.120
A36: 1.119
A37: 1.118
A38: 1.117
A39: 1.116
GND: 1.1 1.3 C1.1 C2.1 C4.1 C5.2 C6.1 C7.1 C8.1 C9.1 C10.1 C12.2 C13.1 C14.1 CN1.1 CN2.1 D1.K D2.K D3.K D5.K D6.1 D7.K D8.K E1.2 E2.2 E3.2 E4.2 E5.2 E6.2 E7.2 E8.2 E9.2 E10.2 E11.2 IC1.3 IC1.5 LCD1.1 PWM1.5 PWM2.5 R6.1 R9.1 TOF.2 U1.2 U2.0 U3.2 U4.2 摄像头1.4 摄像头1.14 无线串口模块1.5 无线串口模块1.6 编码器1.6 编码器2.6 舵机1.3 蜂鸣器1.1 陀螺仪1.2 | length 9368.3
  Top Layer w50: D5.K 1555,5980 1620,5915 R6.1 1685.52,5894.48 1685.52,5735 ; D2.K 1625,7815 1595,7785 1585.5,7785 1565,7764.5 1565,7586.85 CN2.1 ; D1.K D1.K@1685.52,5343.1 ; C4.1 C6.1 2275,6180 ; CN1.1 2136.85,5053.11 2085,5104.96 E4.2 2083.09,5343.1 D1.K@1685.52,5343.1 ; v2(2180,6670) 2210.79,6639.21 2210.79,6559.21 U2.0 ; v2(2455,6525) 2519.26,6525 C7.1 ; C8.1 2275,6180 ; v2(3400,5995) 3405.5,6000.5 3525.48,6000.5 3545.98,5980 3545.98,5971.5 3580.48,5937 U1.2 ; D3.K 3596.21,5648.06 3598.47,5650.32 E3.2 U1.2@3598.47,5891.02 ; v2(3640,6470) 3624.98,6470 C1.1 3564.98,6353.11 ; E6.2 3997.57,6355 ; C9.1 3997.57,6310.18 3997.57,6355 ; U3.2 4004.67,5926.07 4004.67,5903.57 3964.85,5863.75 ; E11.2 4355.12,5681.69 4425.65,5752.22 C14.1 ; U4.2 4398.43,5832.28 C14.1 ; E10.2 C13.1@4491.98,6289.2 ; C13.1 C13.1@4491.98,6289.2 ; C12.2 5608.54,7067.4 IC1.3@5686.14,7145 ; IC1.3@5686.14,6735 5690.47,6739.33 5690.47,6805.56 5717.9,6832.99 ; IC1.5 5820,6768.66 5808.74,6779.92 5808.74,6812.49 5788.24,6832.99 5717.9,6832.99 ; v2(5835,7450) 5835,7293.86 IC1.3@5686.14,7145 ; R9.1 6048.78,5901.22 6140,5810 6240,5810 D7.K 6325,5805 v2(6375,5855) ; D6.1 6430,7525 v2(6445,7510) ; D1.K@1685.52,5343.1 1685.52,5735 ; 1685.52,5735 2205.81,5735 2324.45,5853.64 2324.45,6056.36 2275,6105.81 2275,6180 ; 3564.98,6353.11 3573.57,6361.7 3963.24,6361.7 3969.94,6355 3997.57,6355 ; 3564.98,6353.11 3626.91,6291.18 E2.2 3626.91,6288.82 3754.73,6161 3754.73,5978.51 3881.17,5852.07 3953.17,5852.07 3964.85,5863.75 ; 3964.85,5863.75 E7.2 3964.85,5787.76 4035.38,5717.22 C10.1 4035.38,5648.44 4078.19,5605.63 4142.19,5605.63 4177.83,5641.28 4177.83,5719.3 4243.48,5784.95 4252.98,5784.95 D8.K 4410.54,5789.95 C14.1 ; 3997.57,6355 4011.85,6340.72 4457.65,6340.72 4478.16,6320.22 4478.16,6303.02 C13.1@4491.98,6289.2 ; IC1.3@5686.14,7145 5717.9,7113.24 5717.9,6832.99
NetC3_1: C3.1 L1.2 U2.2 | length 557.2
  Top Layer w30: L1.2 1853.58,6660 1897.64,6704.06 1897.64,6724.94 1932.7,6760 C3.1 1995.2,6655.98 2088.98,6562.2 2122.56,6562.2 U2.2
NetC3_2: C3.2 U2.1 | length 172.7
  Top Layer w30: C3.2 2072.5,6757.5 2072.5,6724.47 2124.76,6672.2 U2.1
NetC5_1: C5.1 U2.4 | length 311.5
  Top Layer w30: U2.4 2142.99,6460 2335,6268 2335,6257.31 2337.5,6254.81 C5.1
NetC7_2: C7.2 D4.2 E5.1 U2.3 U2.7 U2.8 | length 3017
  Top Layer w50: E5.1 1675,6826.19 1582.36,6733.55 1582.36,6389.6 1666.96,6305 1863.04,6305 1995.08,6437.04 2050,6437.04 ; v2(2090,6375) 2090,6397.04 2050,6437.04 ; U2.3 2070,6510 2050,6490 2050,6437.04 ; v2(2150,6725) 2155,6730 2205.64,6730 2316.16,6619.48 2335.75,6619.48 U2.8 ; U2.7 U2.8 ; D4.2 2461.73,6081.73 2494.87,6114.87 2534.74,6114.87 2586.07,6166.2 2586.07,6563.81 2539.88,6610 U2.8
  Bottom Layer w50: v2(2090,6375) 2090,6665 v2(2150,6725)
NetC8_2: C8.2 U2.6 | length 342.2
  Top Layer w30: U2.6 2347.44,6507.8 2381.02,6507.8 2507.87,6380.95 C8.2
NetC11_1: C11.1 IC1.4 R8.1 R9.2 | length 1434.8
  Top Layer w50: IC1.4 5757.4,6730.67 5757.4,6664.44 5784.83,6637.01 5787.99,6637.01 v2(5790,6635) ; v2(5930,6540) 5930,6180 5680,5930 5680,5854.49 5709.29,5825.2 C11.1 5796.22,5826.42 R8.1 R9.2
  Bottom Layer w50: v2(5790,6635) 5835,6635 v2(5930,6540)
NetCN2_2: CN2.2 主控开关1.1 驱动开关1.2 | length 3406.5
  Bottom Layer w80: CN2.2 1644.99,7315 1727.36,7232.63 1833.43,7232.63 1920.55,7145.51 1920.55,7029.92 2150.47,6800 2286.07,6800 2670,6416.07 2670,5693.58 2849.31,5514.27 2849.31,5297.37 2753.63,5201.68 2753.63,5186.98 2745.11,5178.47 驱动开关1.2 ; CN2.2@1643.53,7353.25 2030.31,7740.04 主控开关1.1
NetD1_A: D1.A R1.2 | length 98
  Top Layer w50: D1.A 1685.52,5144.65 R1.2
NetD2_A: D2.A R2.2 | length 195.3
  Top Layer w50: D2.A 1625,7725 1630,7725 1660,7755 1664.5,7755 1731.9,7822.4 R2.2
NetD3_A: D3.A R3.2 | length 109
  Top Layer w50: D3.A 3489.68,5544.06 R3.2
NetD5_A: D5.A R4.1 | length 110
  Top Layer w50: D5.A R4.1
NetD6_2: D6.2 IC1.2 L2.1 | length 1876.1
  Top Layer w30: IC1.2 5619.21,6615.79 5650,6585 5862.2,6585 5904.37,6627.17 6175.94,6627.17 L2.1 6259.37,6671.22 6303.43,6715.28 6303.43,6818.43 6365,6880 6365,7265 6152.01,7477.99 6084.45,7477.99 6048.27,7514.17 D6.2
NetD7_A: D7.A R7.1 | length 109.7
  Top Layer w50: D7.A 6240,6007.59 R7.1
NetD8_A: D8.A R10.2 | length 240.4
  Top Layer w50: D8.A 4252.98,5681.96 4397.13,5537.81 R10.2
NetR5_1: R5.1 R6.2 U2.5 | length 1014.9
  Top Layer w30: R6.2 R5.1 1749.39,6090.2 1759.59,6080 v2(1765,6080) ; v2(2320,6360) 2320,6365.41 2345.24,6390.65 U2.5
  Bottom Layer w30: v2(1765,6080) 1817.27,6132.27 1817.27,6181.56 1865.71,6230 2190,6230 v2(2320,6360)
舵机5.0V: C11.2 E8.1 L2.2 R7.2 R8.2 舵机1.2 | length 3384.9
  Top Layer w50: 舵机1.2 5730,7676.68 5926.85,7479.83 5926.85,7188.15 E8.1 6035,6790 v2(6040,6785) ; C11.2 5902.83,5900 R8.2 6090.23,6087.4 R7.2 6245,6173.78 L2.2 6259.37,6198.78 6378.15,6080 v2(6490,6080)
  Bottom Layer w50: v2(6040,6785) 6060,6765 6500.71,6765 6530,6735.71 6530,6109.29 6500.71,6080 v2(6490,6080)
驱动7.2V: CN1.2 R1.1 驱动开关1.1 | length 1362
  Top Layer w50: R1.1 1770.37,4985 1816.1,5030.73 1930.73,5030.73 CN1.2
  Top Layer w80: CN1.2 CN1.2@1944.99,5040 ; 驱动开关1.1@2712.55,5363.51 驱动开关1.1
  Bottom Layer w50: CN1.2@1961.18,5050 CN1.2@1961.91,5049.27
  Bottom Layer w80: CN1.2 1944.99,5040 2044.2,4940.79 2324.76,4940.79 2591.99,5208.01 2591.99,5242.95 2712.55,5363.51 驱动开关1.1
pads on no net: 1.9 1.10 1.11 1.12 1.13 1.14 1.15 1.16 1.17 1.18 1.19 1.20 1.21 1.29 1.32 1.33 1.34 1.35 1.36 1.42 1.47 1.48 1.49 1.50 1.51 1.52 1.64 1.65 1.66 1.67 1.68 1.69 1.70 1.71 1.72 1.73 1.74 1.75 1.76 1.77 1.78 1.79 1.80 1.81 1.82 1.83 1.84 1.85 1.87 1.107 1.109 1.110 1.111 1.112 1.113 1.114 1.115 1.121 1.122 H4.1 H5.1 H6.1 H7.1 H8.1 H9.1 H10.1 H11.1 U1.4 U3.4 U4.4 主控开关1.3 摄像头1.10 无线串口模块1.2 无线串口模块1.8 编码器1.1 编码器1.2 编码器2.1 编码器2.2 陀螺仪1.7 陀螺仪1.8 驱动开关1.3
copper on no net:
  other v1: 2413.66,5158.54 5681.42,5158.54 2352.42,5183.91 2474.91,5183.91 5620.17,5183.91 5742.66,5183.91 2327.05,5245.16 2500.28,5245.16 5594.8,5245.16 5768.03,5245.16 2352.42,5306.4 2474.91,5306.4 5620.17,5306.4 5742.66,5306.4 2413.66,5331.77 5681.42,5331.77 4047.52,6955 3986.27,6980.37 4108.77,6980.37 3960.91,7041.61 4134.13,7041.61 3986.27,7102.86 4108.77,7102.86 4047.52,7128.23 3634.13,7368.39 4460.91,7368.39 3572.89,7393.75 3695.38,7393.75 4399.66,7393.75 4522.15,7393.75 2413.66,7418.39 5681.42,7418.39 2352.42,7443.75 2474.91,7443.75 5620.17,7443.75 5742.66,7443.75 3547.52,7455 3720.75,7455 4374.29,7455 4547.52,7455 2327.05,7505 2500.28,7505 5594.8,7505 5768.03,7505 3572.89,7516.25 3695.38,7516.25 4399.66,7516.25 4522.15,7516.25 3634.13,7541.61 4460.91,7541.61 2352.42,7566.25 2474.91,7566.25 5620.17,7566.25 5742.66,7566.25 2413.66,7591.61 5681.42,7591.61 4047.52,7781.77 3986.27,7807.14 4108.77,7807.14 3960.91,7868.39 4134.13,7868.39 3986.27,7929.63 4108.77,7929.63 4047.52,7955

## Polygon pours and split planes (outlines as drawn)
no net on Top Solder "Team name" (hatched Horizontal grid 4 track 5, remove dead copper): 6055,5375 6060,5380 6580,5380 6580,5055 6560,5035 6535,5060 6050,5060
5.0V on Top Layer "NET 5.0V" (hatched Horizontal grid 4 track 5, remove dead copper, pour order 4): 1675,8035 1515,7875 1515,5055 1645,4925 6435,4925 6595,5085 6575,5105 6575,7875 6400,8050
GND on Bottom Layer "NONET_L-01_P-001" (hatched Horizontal grid 4 track 5, remove dead copper, pour order 12): 1700,8035 1550,7885 1505,7885 1505,5055 1630,4930 6460,4930 6590,5060 6570,5080 6570,7860 6380,8050

## Other copper
Top Layer:
  text "谭皓瑞 赖宇晟 罗有儒" at 6070,5320.45 h60
  text "福州大学 2024" at 6115,5205.66 h60
  text "一步棋严辉祥" at 6115,5090.45 h60

## Silkscreen, mask and mechanical layers (free items; w line width, h text height)
Top Overlay:
  text "21.2 21.3 21.4 21.5 GND" at 3020.67,7785.04 h60 r270
  text "20.13 20.12 20.14 20.11 GND 3.3V(chip)" at 4874.89,7667.51 h40 r0.64
  text "33.7 GND" at 3265,7165.67 h60
  text "33.6 3.3V" at 3265,6875.67 h60
  text "3.3V 0.09" at 5070,6550.67 h60
  text "GND 02.8" at 5060,6275.62 h60
  text "02.4 02.5 02.6 02.7 GND" at 5985.62,5580 h60 r270
Mechanical 1:
  lines w10: 1495,5029.41 1625,4899.41 6450,4899.41 6469.41,4899.41 6600,5030 6600,5325 6600,7875 6420,8055 1650,8055 1495,7900 1495,5305 1495,5029.41

## Text inside footprints (layer, text, board x,y; h text height)
CN1: Top Overlay "-" at 2283.43,5046.35 h25.74 r180; Top Overlay "+" at 1828.43,5051.35 h25.74 r180
CN2: Top Overlay "-" at 1633.65,7658.43 h25.74 r270; Top Overlay "+" at 1628.65,7203.43 h25.74 r270
无线串口模块1: Top Overlay "2" at 5031.73,5109.94 h50; Top Overlay "1" at 5051.73,5009.94 h50; Top Overlay "7" at 5491.73,5009.94 h50; Top Overlay "8" at 5491.73,5109.94 h50
编码器1: Top Overlay "1" at 3145,6975 h50; Top Overlay "2" at 3125,7075 h50; Top Overlay "5" at 3485,6975 h50; Top Overlay "6" at 3485,7075 h50
编码器2: Top Overlay "1" at 5390,6505 h50 r180; Top Overlay "2" at 5410,6405 h50 r180; Top Overlay "6" at 5050,6405 h50 r180